# KiCad board main - copyOK.kicad_pcb
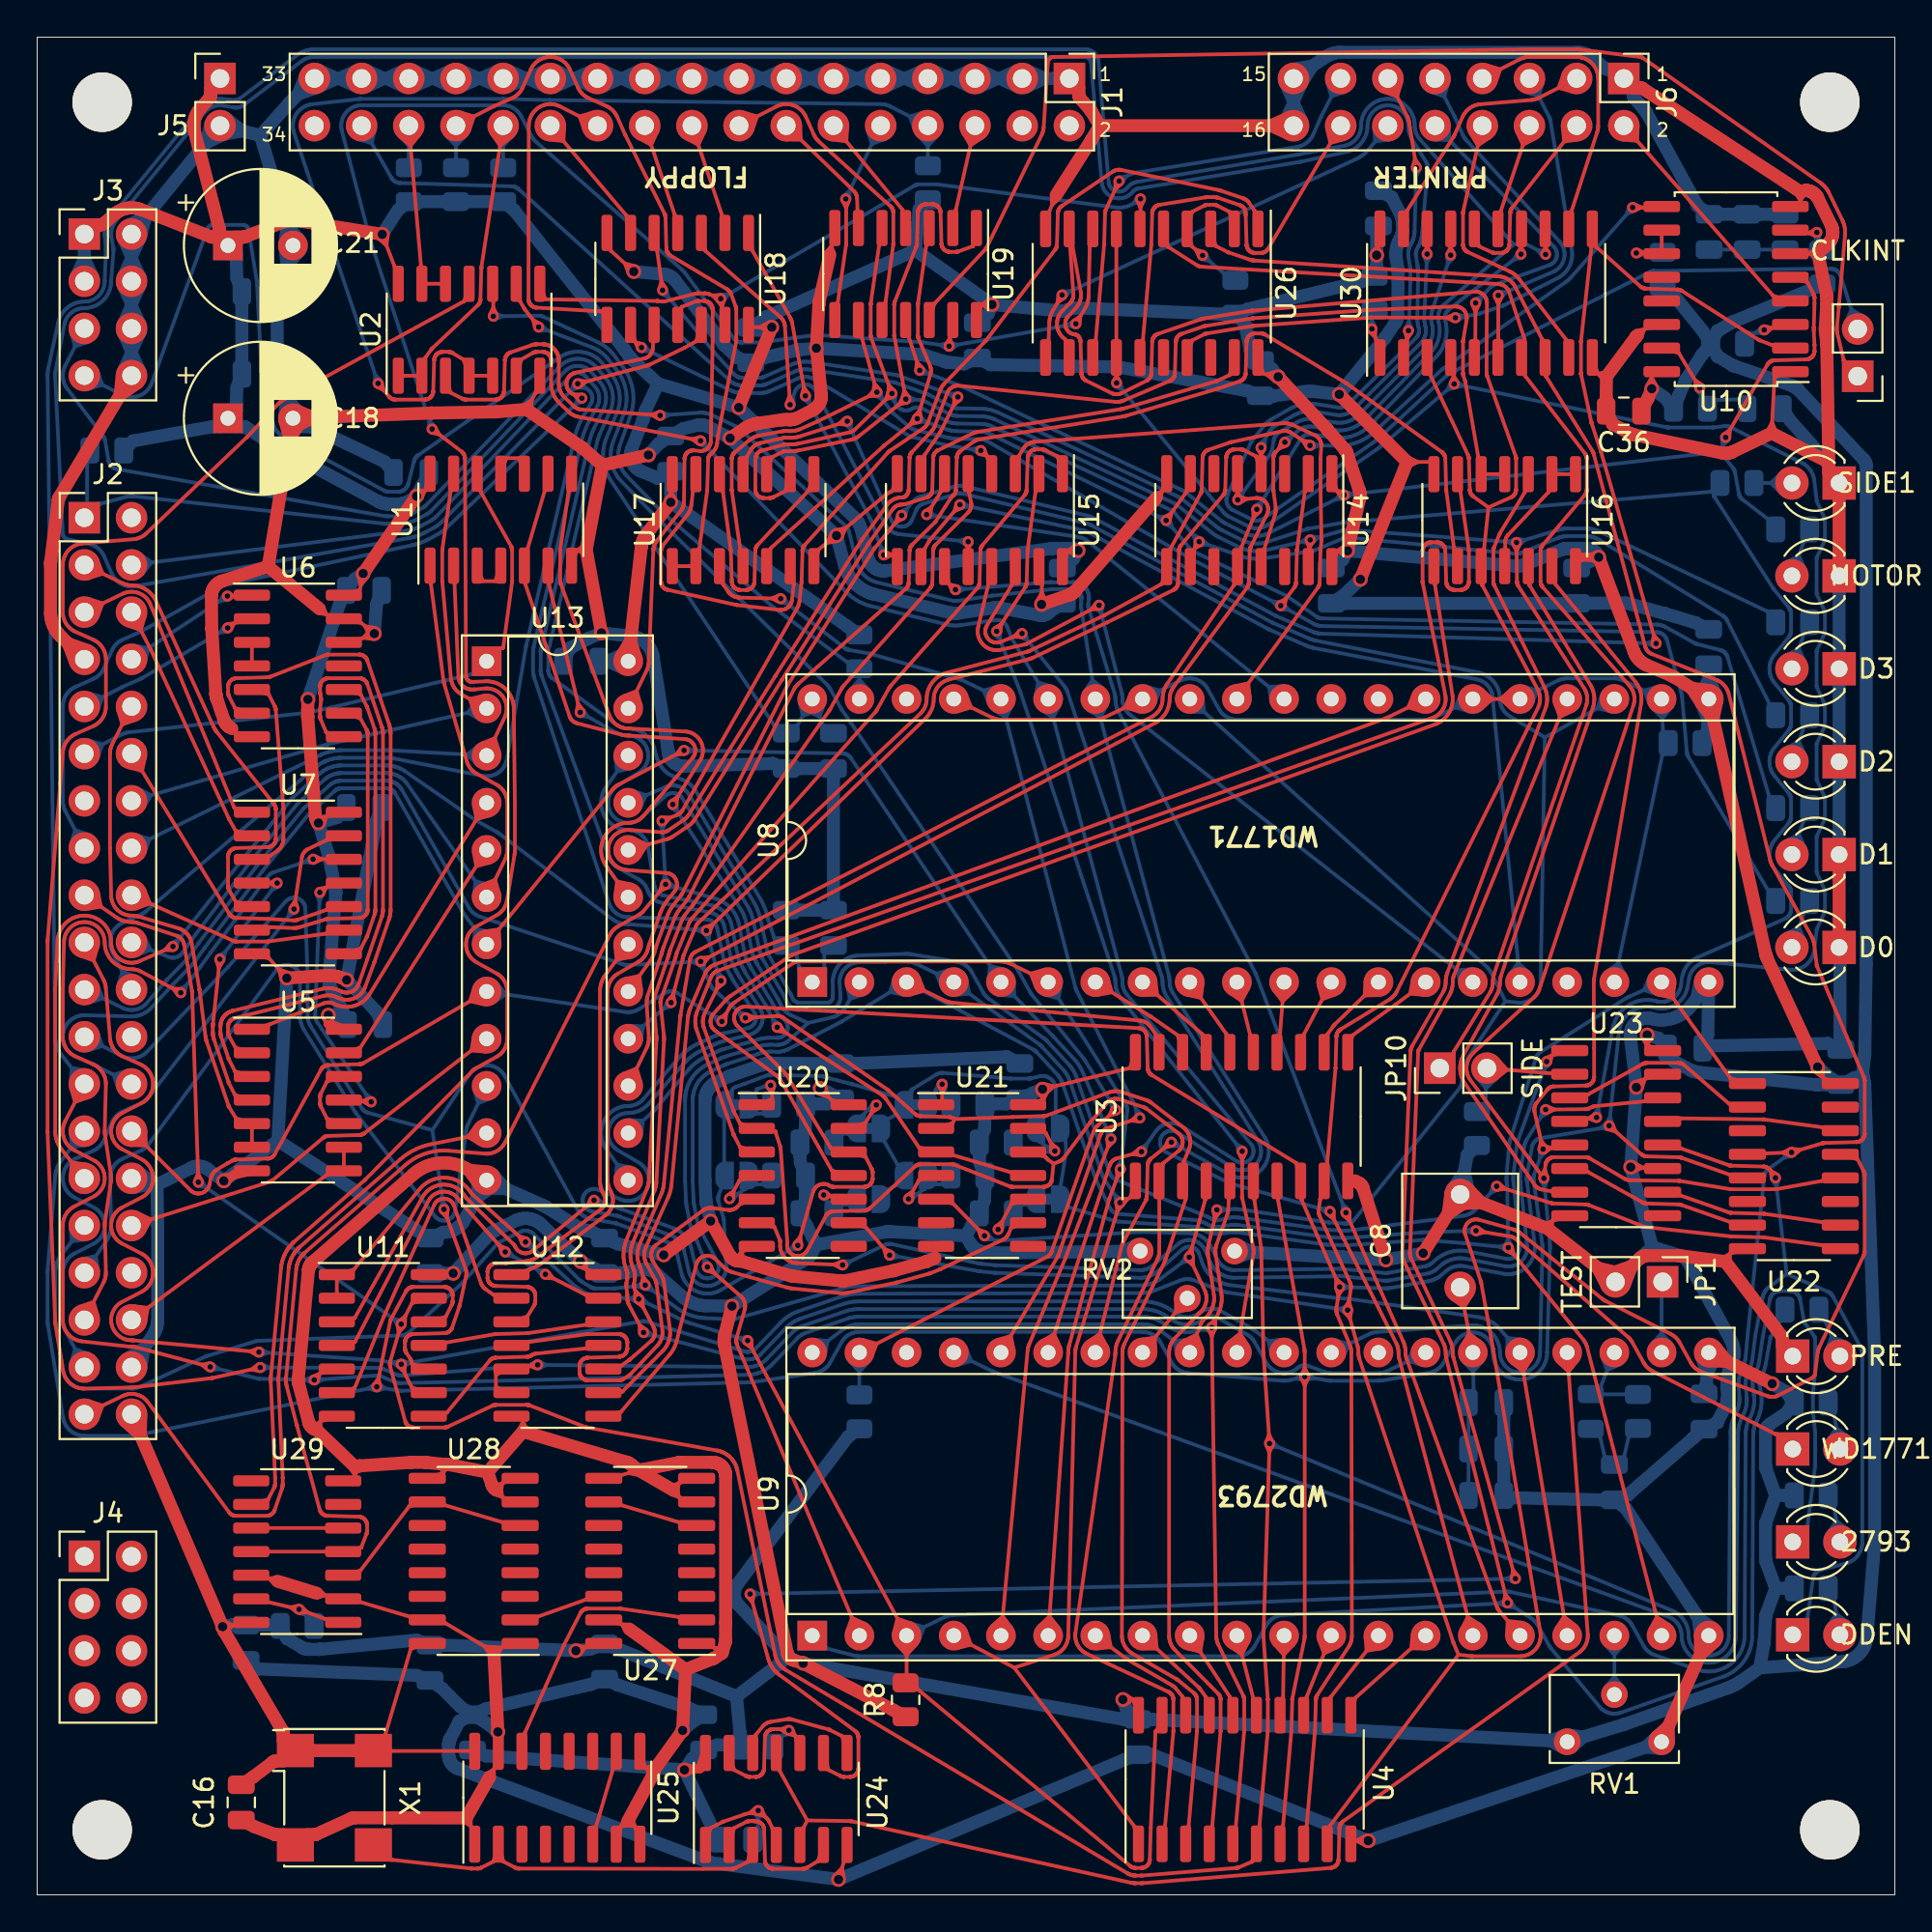
[diagram p0: board, top side]
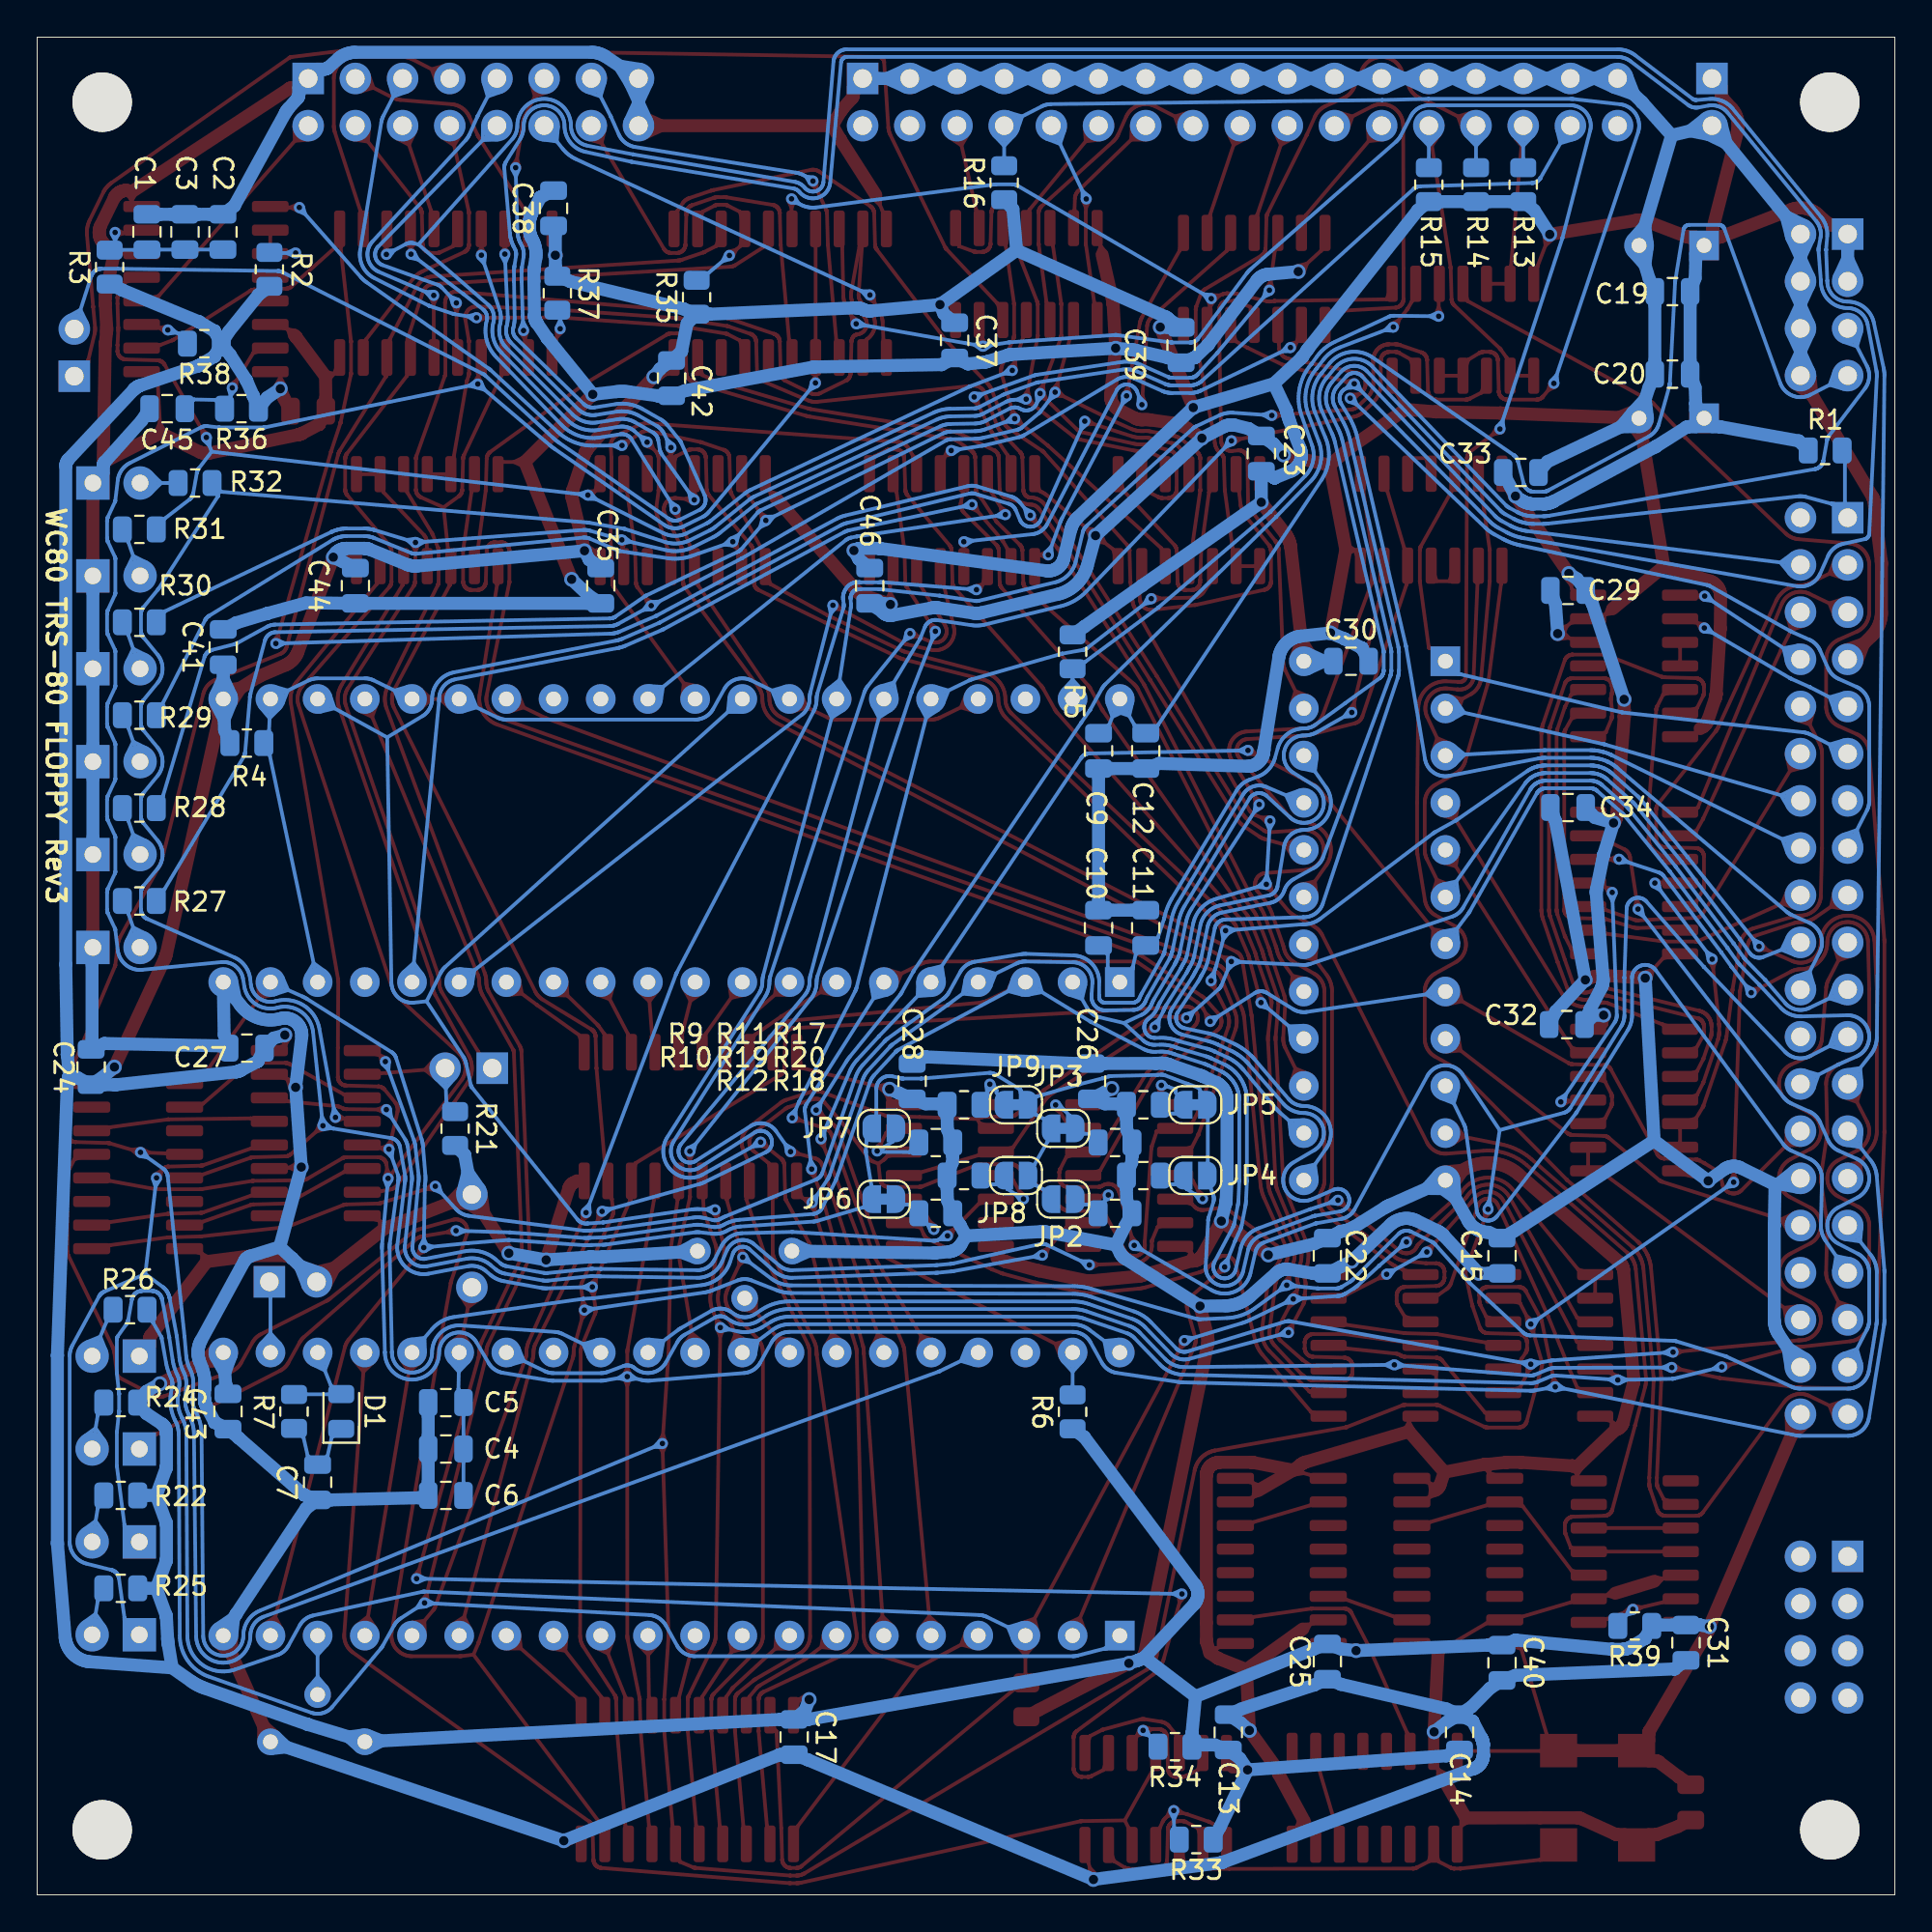
[diagram p1: board, bottom side, seen from below]

Outline 100 x 100 mm; copper layers: Top, Bottom. Coordinates in mm from the lower left corner of the outline.
Outline path: 0,100 100,100 100,0 0,0 0,100

## Placement (name value [footprint] x y rotation side)
C1  33uF  [C_0805_2012Metric]  94.09 89.51 90 bottom
C2  33uF  [C_0805_2012Metric]  90 89.52 90 bottom
C3  33uF  [C_0805_2012Metric]  92.05 89.51 90 bottom
C4  15pF  [C_0805_2012Metric]  78 24 180 bottom
C5  15pF  [C_0805_2012Metric]  78 26.5 180 bottom
C6  15pF  [C_0805_2012Metric]  78 21.5 180 bottom
C7  150nF  [C_0805_2012Metric]  84.9 22.21 90 bottom
C8  60pF  [C_Rect_L7.0mm_W6.0mm_P5.00mm]  76.6 32.7 90 top
C9  100n  [C_0805_2012Metric]  42.87 61.58 270 bottom
C10  100n  [C_0805_2012Metric]  42.87 52.06 90 bottom
C11  100n  [C_0805_2012Metric]  40.33 52.06 90 bottom
C12  100n  [C_0805_2012Metric]  40.33 61.58 270 bottom
C13  100n  [C_0805_2012Metric]  35.88 8.75 90 bottom
C14  100n  [C_0805_2012Metric]  23.43 8.75 90 bottom
C15  100n  [C_0805_2012Metric]  21.15 34.4 90 bottom
C16  100n  [C_0805_2012Metric]  10.99 4.98 270 top
C17  100n  [C_0805_2012Metric]  59.25 8.49 270 bottom
C18  470uF  [CP_Radial_D8.0mm_P3.50mm]  10.27 79.48 0 top
C19  100n  [C_0805_2012Metric]  11.97 86.31 0 bottom
C20  100n  [C_0805_2012Metric]  11.97 81.86 0 bottom
C21  470uF  [CP_Radial_D8.0mm_P3.50mm]  10.27 88.78 0 top
C22  100n  [C_0805_2012Metric]  30.55 34.4 90 bottom
C23  100n  [C_0805_2012Metric]  34.1 77.58 90 bottom
C24  100n  [C_0805_2012Metric]  97.09 44.56 90 bottom
C25  100n  [C_0805_2012Metric]  30.55 12.56 270 bottom
C26  100n  [C_0805_2012Metric]  43.25 43.8 90 bottom
C27  100n  [C_0805_2012Metric]  88.71 45.58 0 bottom
C28  100n  [C_0805_2012Metric]  52.9 43.8 90 bottom
C29  100n  [C_0805_2012Metric]  17.59 70.22 0 bottom
C30  100n  [C_0805_2012Metric]  29.28 66.41 180 bottom
C31  100n  [C_0805_2012Metric]  11.24 13.57 270 bottom
C32  100n  [C_0805_2012Metric]  17.66 46.85 0 bottom
C33  100n  [C_0805_2012Metric]  20.13 76.57 180 bottom
C34  100n  [C_0805_2012Metric]  17.59 58.53 0 bottom
C35  100n  [C_0805_2012Metric]  69.66 70.47 270 bottom
C36  100n  [C_0805_2012Metric]  85.41 79.87 180 top
C37  100n  [C_0805_2012Metric]  50.61 83.68 270 bottom
C38  100n  [C_0805_2012Metric]  72.2 90.79 90 bottom
C39  100n  [C_0805_2012Metric]  38.42 83.42 270 bottom
C40  100n  [C_0805_2012Metric]  21.15 12.49 270 bottom
C41  100n  [C_0805_2012Metric]  89.98 67.17 90 bottom
C42  100n  [C_0805_2012Metric]  65.85 81.65 270 bottom
C43  100n  [C_0805_2012Metric]  89.73 26.02 270 bottom
C44  100n  [C_0805_2012Metric]  82.87 70.47 270 bottom
C45  200p  [C_0805_2012Metric]  93 80 0 bottom
C46  100n  [C_0805_2012Metric]  55.18 70.47 270 bottom
D1  DIODE  [D_0805_2012Metric]  83.63 26.02 90 bottom
D2  2793  [LED_D3.0mm]  94.5 19 0 top
D3  WD1771  [LED_D3.0mm]  94.5 24 0 top
D4  DDEN  [LED_D3.0mm]  94.5 14 0 top
D5  PRE  [LED_D3.0mm]  94.5 29 0 top
D6  D0  [LED_D3.0mm]  97 51 180 top
D7  D1  [LED_D3.0mm]  97 56 180 top
D8  D2  [LED_D3.0mm]  97 61 180 top
D9  D3  [LED_D3.0mm]  97 66 180 top
D10  MOTOR  [LED_D3.0mm]  97 71 180 top
D11  SIDE1  [LED_D3.0mm]  97 76 180 top
J1  Floppy-header  [PinHeader_2x17_P2.54mm_Vertical]  55.56 97.78 270 top
J2  TRS80W-header  [PinHeader_2x20_P2.54mm_Vertical]  2.54 74.13 0 top
J3  Conn_02x04_Odd_Even  [PinHeader_2x04_P2.54mm_Vertical]  2.54 89.4 0 top
J4  Conn_02x04_Odd_Even  [PinHeader_2x04_P2.54mm_Vertical]  2.54 18.22 0 top
J5  5V  [PinHeader_1x02_P2.54mm_Vertical]  9.84 97.78 0 top
J6  Conn_01x16_Male  [PinHeader_2x08_P2.54mm_Vertical]  85.41 97.78 270 top
JP1  TEST  [PinHeader_1x02_P2.54mm_Vertical]  87.5 33 270 top
JP2  DD  [SolderJumper-2_P1.3mm_Open_RoundedPad1.0x1.5mm]  44.77 37.45 180 bottom
JP3  SD  [SolderJumper-2_P1.3mm_Bridged_RoundedPad1.0x1.5mm]  44.77 41.26 180 bottom
JP4  DD  [SolderJumper-2_P1.3mm_Open_RoundedPad1.0x1.5mm]  37.66 38.72 0 bottom
JP5  SD  [SolderJumper-2_P1.3mm_Bridged_RoundedPad1.0x1.5mm]  37.66 42.53 0 bottom
JP6  2793  [SolderJumper-2_P1.3mm_Bridged_RoundedPad1.0x1.5mm]  54.42 37.45 180 bottom
JP7  1771  [SolderJumper-2_P1.3mm_Open_RoundedPad1.0x1.5mm]  54.42 41.26 180 bottom
JP8  M3  [SolderJumper-2_P1.3mm_Open_RoundedPad1.0x1.5mm]  47.31 38.72 0 bottom
JP9  M1  [SolderJumper-2_P1.3mm_Bridged_RoundedPad1.0x1.5mm]  47.31 42.53 0 bottom
JP10  SIDE  [PinHeader_1x02_P2.54mm_Vertical]  75.5 44.5 90 top
JP11  CLKINT  [PinHeader_1x02_P2.54mm_Vertical]  98 81.75 180 top
M1  3mm-mounting-hole  [MountingHole_3.2mm_M3_DIN965]  96.5 96.5 0 top
M2  3mm-mounting-hole  [MountingHole_3.2mm_M3_DIN965]  96.5 3.5 0 top
M3  3mm-mounting-hole  [MountingHole_3.2mm_M3_DIN965]  3.5 96.5 0 top
M4  3mm-mounting-hole  [MountingHole_3.2mm_M3_DIN965]  3.5 3.5 0 top
R1  10K  [R_0805_2012Metric]  3.75 77.75 180 bottom
R2  4K7  [R_0805_2012Metric]  87.5 87.5 90 bottom
R3  200K  [R_0805_2012Metric]  96.1 87.62 90 bottom
R4  10K  [R_0805_2012Metric]  88.71 62 180 bottom
R5  10K  [R_0805_2012Metric]  44.26 66.91 270 bottom
R6  10K  [R_0805_2012Metric]  44.26 26 90 bottom
R7  1K  [R_0805_2012Metric]  86.17 26.02 90 bottom
R8  10K  [R_0805_2012Metric]  46.75 10.5 90 top
R9  10K  [R_0805_2012Metric]  41.98 36.69 0 bottom
R10  10K  [R_0805_2012Metric]  40.45 38.72 180 bottom
R11  10K  [R_0805_2012Metric]  40.45 42.53 180 bottom
R12  10K  [R_0805_2012Metric]  41.98 40.5 0 bottom
R13  150  [R_0805_2012Metric]  20.01 92.06 90 bottom
R14  150  [R_0805_2012Metric]  22.55 92.06 90 bottom
R15  150  [R_0805_2012Metric]  25.09 92.06 90 bottom
R16  150  [R_0805_2012Metric]  47.94 92.16 90 bottom
R17  10K  [R_0805_2012Metric]  51.63 36.69 180 bottom
R18  10K  [R_0805_2012Metric]  51.63 40.5 180 bottom
R19  10K  [R_0805_2012Metric]  50.1 38.72 0 bottom
R20  10K  [R_0805_2012Metric]  50.1 42.53 180 bottom
R21  10K  [R_0805_2012Metric]  77.5 41.25 270 bottom
R22  470  [R_0805_2012Metric]  95.5 21.5 0 bottom
R24  470  [R_0805_2012Metric]  95.5 26.5 0 bottom
R25  470  [R_0805_2012Metric]  95.5 16.5 0 bottom
R26  470  [R_0805_2012Metric]  95 31.5 0 bottom
R27  470  [R_0805_2012Metric]  94.5 53.5 0 bottom
R28  470  [R_0805_2012Metric]  94.5 58.5 0 bottom
R29  470  [R_0805_2012Metric]  94.5 63.5 0 bottom
R30  470  [R_0805_2012Metric]  94.5 68.5 0 bottom
R31  470  [R_0805_2012Metric]  94.5 73.5 0 bottom
R32  470  [R_0805_2012Metric]  91.5 76 0 bottom
R33  10K  [R_0805_2012Metric]  37.61 2.98 0 bottom
R34  10K  [R_0805_2012Metric]  38.75 7.98 0 bottom
R35  10K  [R_0805_2012Metric]  64.5 86 90 bottom
R36  20K  [R_0805_2012Metric]  89 80 0 bottom
R37  4K7  [R_0805_2012Metric]  72 86.22 270 bottom
R38  4K7  [R_0805_2012Metric]  91 83.5 0 bottom
R39  10K  [R_0805_2012Metric]  14 14.48 0 bottom
RV1  50K  [Potentiometer_Bourns_3266W_Vertical]  82.36 8.24 180 top
RV2  10K  [Potentiometer_Bourns_3266W_Vertical]  64.45 34.66 0 top
U1  74LS00  [SOIC-14_3.9x8.7mm_P1.27mm]  24.96 74.03 90 top
U2  74LS08  [SOIC-14_3.9x8.7mm_P1.27mm]  23.25 84.25 90 top
U3  74LS640  [SO-20_5.3x12.6mm_P1.27mm]  64.84 41.89 90 top
U4  74LS245  [SO-20_5.3x12.6mm_P1.27mm]  65 6.21 90 top
U5  74LS02  [SOIC-14_3.9x8.7mm_P1.27mm]  14.04 42.78 0 top
U6  74LS32  [SOIC-14_3.9x8.7mm_P1.27mm]  14.04 66.15 0 top
U7  74LS00  [SOIC-14_3.9x8.7mm_P1.27mm]  14.04 54.47 0 top
U8  WD1771  [DIP-40_W15.24mm_Socket]  41.72 49.13 90 top
U9  WD2793  [DIP-40_W15.24mm_Socket]  41.72 13.95 90 top
U10  74LS123  [SO-16_5.3x10.2mm_P1.27mm]  90.91 86.44 180 top
U11  74LS00  [SOIC-14_3.9x8.7mm_P1.27mm]  18.61 29.58 0 top
U12  74LS02  [SOIC-14_3.9x8.7mm_P1.27mm]  28.01 29.58 0 top
U13  ATF22V10C  [DIP-24_W7.62mm_Socket]  24.2 66.41 0 top
U14  74LS175  [SOP-16_3.9x9.9mm_P1.27mm]  65.25 74 270 top
U15  74LS157  [SOP-16_3.9x9.9mm_P1.27mm]  50.75 74 270 top
U16  74LS00  [SOIC-14_3.9x8.7mm_P1.27mm]  79 74 270 top
U17  74LS32  [SOIC-14_3.9x8.7mm_P1.27mm]  38 74 90 top
U18  74LS06  [SOIC-14_3.9x8.7mm_P1.27mm]  34.48 86.99 270 top
U19  74LS06  [SOIC-14_3.9x8.7mm_P1.27mm]  46.75 87.25 270 top
U20  74LS74  [SOIC-14_3.9x8.7mm_P1.27mm]  41.21 38.72 0 top
U21  74LS74  [SOIC-14_3.9x8.7mm_P1.27mm]  50.87 38.72 0 top
U22  74LS175  [SOP-16_3.9x9.9mm_P1.27mm]  94.56 39.23 0 top
U23  74LS157  [SOP-16_3.9x9.9mm_P1.27mm]  85 41 0 top
U24  74LS74  [SOIC-14_3.9x8.7mm_P1.27mm]  39.79 5.16 90 top
U25  4518  [SOP-16_3.9x9.9mm_P1.27mm]  28 5.23 90 top
U26  74LS244  [SO-20_5.3x12.6mm_P1.27mm]  60 86.22 270 top
U27  4518  [SOP-16_3.9x9.9mm_P1.27mm]  33 17.98 180 top
U28  4518  [SOP-16_3.9x9.9mm_P1.27mm]  23.5 17.98 180 top
U29  74LS74  [SOIC-14_3.9x8.7mm_P1.27mm]  14 18.48 180 top
U30  74LS273  [SO-20_5.3x12.6mm_P1.27mm]  78 86.22 90 top
X1  SG-7050CAN  [Oscillator_SMD_SeikoEpson_SG8002CA-4Pin_7.0x5.0mm]  16 5.23 270 top

## Footprints (pads in the part's own frame, mm; a bottom-side part is the same pattern mirrored in y, then rotated)
C_0805_2012Metric
  rrect 1x1.45 smd: 1(-0.95,0) 2(0.95,0)
C_Rect_L7.0mm_W6.0mm_P5.00mm
  round 1.7 hole 1: 1(0,0) 2(5,0)
CP_Radial_D8.0mm_P3.50mm
  rect 1.6x1.6 hole 0.8: 1(0,0)
  round 1.6 hole 0.8: 2(3.5,0)
D_0805_2012Metric
  rrect 0.975x1.4 smd: 1(-0.938,0) 2(0.938,0)
DIP-24_W7.62mm_Socket
  rect 1.6x1.6 hole 0.8: 1(0,0)
  oval 1.6x1.6 hole 0.8: 2(0,-2.54) 3(0,-5.08) 4(0,-7.62) 5(0,-10.16) 6(0,-12.7) 7(0,-15.24) 8(0,-17.78) 9(0,-20.32) 10(0,-22.86) 11(0,-25.4) 12(0,-27.94) 13(7.62,-27.94) 14(7.62,-25.4) 15(7.62,-22.86) 16(7.62,-20.32) 17(7.62,-17.78) 18(7.62,-15.24) 19(7.62,-12.7) 20(7.62,-10.16) 21(7.62,-7.62) 22(7.62,-5.08) 23(7.62,-2.54) 24(7.62,0)
DIP-40_W15.24mm_Socket
  rect 1.6x1.6 hole 0.8: 1(0,0)
  oval 1.6x1.6 hole 0.8: 2(0,-2.54) 3(0,-5.08) 4(0,-7.62) 5(0,-10.16) 6(0,-12.7) 7(0,-15.24) 8(0,-17.78) 9(0,-20.32) 10(0,-22.86) 11(0,-25.4) 12(0,-27.94) 13(0,-30.48) 14(0,-33.02) 15(0,-35.56) 16(0,-38.1) 17(0,-40.64) 18(0,-43.18) 19(0,-45.72) 20(0,-48.26) 21(15.24,-48.26) 22(15.24,-45.72) 23(15.24,-43.18) 24(15.24,-40.64) 25(15.24,-38.1) 26(15.24,-35.56) 27(15.24,-33.02) 28(15.24,-30.48) 29(15.24,-27.94) 30(15.24,-25.4) 31(15.24,-22.86) 32(15.24,-20.32) 33(15.24,-17.78) 34(15.24,-15.24) 35(15.24,-12.7) 36(15.24,-10.16) 37(15.24,-7.62) 38(15.24,-5.08) 39(15.24,-2.54) 40(15.24,0)
LED_D3.0mm
  rect 1.8x1.8 hole 0.9: 1(0,0)
  round 1.8 hole 0.9: 2(2.54,0)
MountingHole_3.2mm_M3_DIN965
  round 3.2 hole 3.2 unplated: (0,0)
Oscillator_SMD_SeikoEpson_SG8002CA-4Pin_7.0x5.0mm
  rect 1.8x2 smd: 1(-2.54,-2.1) 2(2.54,-2.1) 3(2.54,2.1) 4(-2.54,2.1)
PinHeader_1x02_P2.54mm_Vertical
  rect 1.7x1.7 hole 1: 1(0,0)
  oval 1.7x1.7 hole 1: 2(0,-2.54)
PinHeader_2x04_P2.54mm_Vertical
  rect 1.7x1.7 hole 1: 1(0,0)
  oval 1.7x1.7 hole 1: 2(2.54,0) 3(0,-2.54) 4(2.54,-2.54) 5(0,-5.08) 6(2.54,-5.08) 7(0,-7.62) 8(2.54,-7.62)
PinHeader_2x08_P2.54mm_Vertical
  rect 1.7x1.7 hole 1: 1(0,0)
  oval 1.7x1.7 hole 1: 2(2.54,0) 3(0,-2.54) 4(2.54,-2.54) 5(0,-5.08) 6(2.54,-5.08) 7(0,-7.62) 8(2.54,-7.62) 9(0,-10.16) 10(2.54,-10.16) 11(0,-12.7) 12(2.54,-12.7) 13(0,-15.24) 14(2.54,-15.24) 15(0,-17.78) 16(2.54,-17.78)
PinHeader_2x17_P2.54mm_Vertical
  rect 1.7x1.7 hole 1: 1(0,0)
  oval 1.7x1.7 hole 1: 2(2.54,0) 3(0,-2.54) 4(2.54,-2.54) 5(0,-5.08) 6(2.54,-5.08) 7(0,-7.62) 8(2.54,-7.62) 9(0,-10.16) 10(2.54,-10.16) 11(0,-12.7) 12(2.54,-12.7) 13(0,-15.24) 14(2.54,-15.24) 15(0,-17.78) 16(2.54,-17.78) 17(0,-20.32) 18(2.54,-20.32) 19(0,-22.86) 20(2.54,-22.86) 21(0,-25.4) 22(2.54,-25.4) 23(0,-27.94) 24(2.54,-27.94) 25(0,-30.48) 26(2.54,-30.48) 27(0,-33.02) 28(2.54,-33.02) 29(0,-35.56) 30(2.54,-35.56) 31(0,-38.1) 32(2.54,-38.1) 33(0,-40.64) 34(2.54,-40.64)
PinHeader_2x20_P2.54mm_Vertical
  rect 1.7x1.7 hole 1: 1(0,0)
  oval 1.7x1.7 hole 1: 2(2.54,0) 3(0,-2.54) 4(2.54,-2.54) 5(0,-5.08) 6(2.54,-5.08) 7(0,-7.62) 8(2.54,-7.62) 9(0,-10.16) 10(2.54,-10.16) 11(0,-12.7) 12(2.54,-12.7) 13(0,-15.24) 14(2.54,-15.24) 15(0,-17.78) 16(2.54,-17.78) 17(0,-20.32) 18(2.54,-20.32) 19(0,-22.86) 20(2.54,-22.86) 21(0,-25.4) 22(2.54,-25.4) 23(0,-27.94) 24(2.54,-27.94) 25(0,-30.48) 26(2.54,-30.48) 27(0,-33.02) 28(2.54,-33.02) 29(0,-35.56) 30(2.54,-35.56) 31(0,-38.1) 32(2.54,-38.1) 33(0,-40.64) 34(2.54,-40.64) 35(0,-43.18) 36(2.54,-43.18) 37(0,-45.72) 38(2.54,-45.72) 39(0,-48.26) 40(2.54,-48.26)
Potentiometer_Bourns_3266W_Vertical
  round 1.44 hole 0.8: 1(0,0) 2(-2.54,-2.54) 3(-5.08,0)
R_0805_2012Metric
  rrect 1.025x1.4 smd: 1(-0.912,0) 2(0.912,0)
SO-16_5.3x10.2mm_P1.27mm
  rrect 1.975x0.6 smd: 1(-3.462,4.445) 2(-3.462,3.175) 3(-3.462,1.905) 4(-3.462,0.635) 5(-3.462,-0.635) 6(-3.462,-1.905) 7(-3.462,-3.175) 8(-3.462,-4.445) 9(3.462,-4.445) 10(3.462,-3.175) 11(3.462,-1.905) 12(3.462,-0.635) 13(3.462,0.635) 14(3.462,1.905) 15(3.462,3.175) 16(3.462,4.445)
SO-20_5.3x12.6mm_P1.27mm
  rrect 1.975x0.6 smd: 1(-3.462,5.715) 2(-3.462,4.445) 3(-3.462,3.175) 4(-3.462,1.905) 5(-3.462,0.635) 6(-3.462,-0.635) 7(-3.462,-1.905) 8(-3.462,-3.175) 9(-3.462,-4.445) 10(-3.462,-5.715) 11(3.462,-5.715) 12(3.462,-4.445) 13(3.462,-3.175) 14(3.462,-1.905) 15(3.462,-0.635) 16(3.462,0.635) 17(3.462,1.905) 18(3.462,3.175) 19(3.462,4.445) 20(3.462,5.715)
SOIC-14_3.9x8.7mm_P1.27mm
  rrect 1.95x0.6 smd: 1(-2.475,3.81) 2(-2.475,2.54) 3(-2.475,1.27) 4(-2.475,0) 5(-2.475,-1.27) 6(-2.475,-2.54) 7(-2.475,-3.81) 8(2.475,-3.81) 9(2.475,-2.54) 10(2.475,-1.27) 11(2.475,0) 12(2.475,1.27) 13(2.475,2.54) 14(2.475,3.81)
SolderJumper-2_P1.3mm_Bridged_RoundedPad1.0x1.5mm
  custom 1x1.5 smd: 1(-0.65,0) 2(0.65,0)
SolderJumper-2_P1.3mm_Open_RoundedPad1.0x1.5mm
  custom 1x1.5 smd: 1(-0.65,0) 2(0.65,0)
SOP-16_3.9x9.9mm_P1.27mm
  rrect 2x0.6 smd: 1(-2.5,4.445) 2(-2.5,3.175) 3(-2.5,1.905) 4(-2.5,0.635) 5(-2.5,-0.635) 6(-2.5,-1.905) 7(-2.5,-3.175) 8(-2.5,-4.445) 9(2.5,-4.445) 10(2.5,-3.175) 11(2.5,-1.905) 12(2.5,-0.635) 13(2.5,0.635) 14(2.5,1.905) 15(2.5,3.175) 16(2.5,4.445)
